# Altium PCB NURIP.PcbDoc (part 6 of 14) (continued)
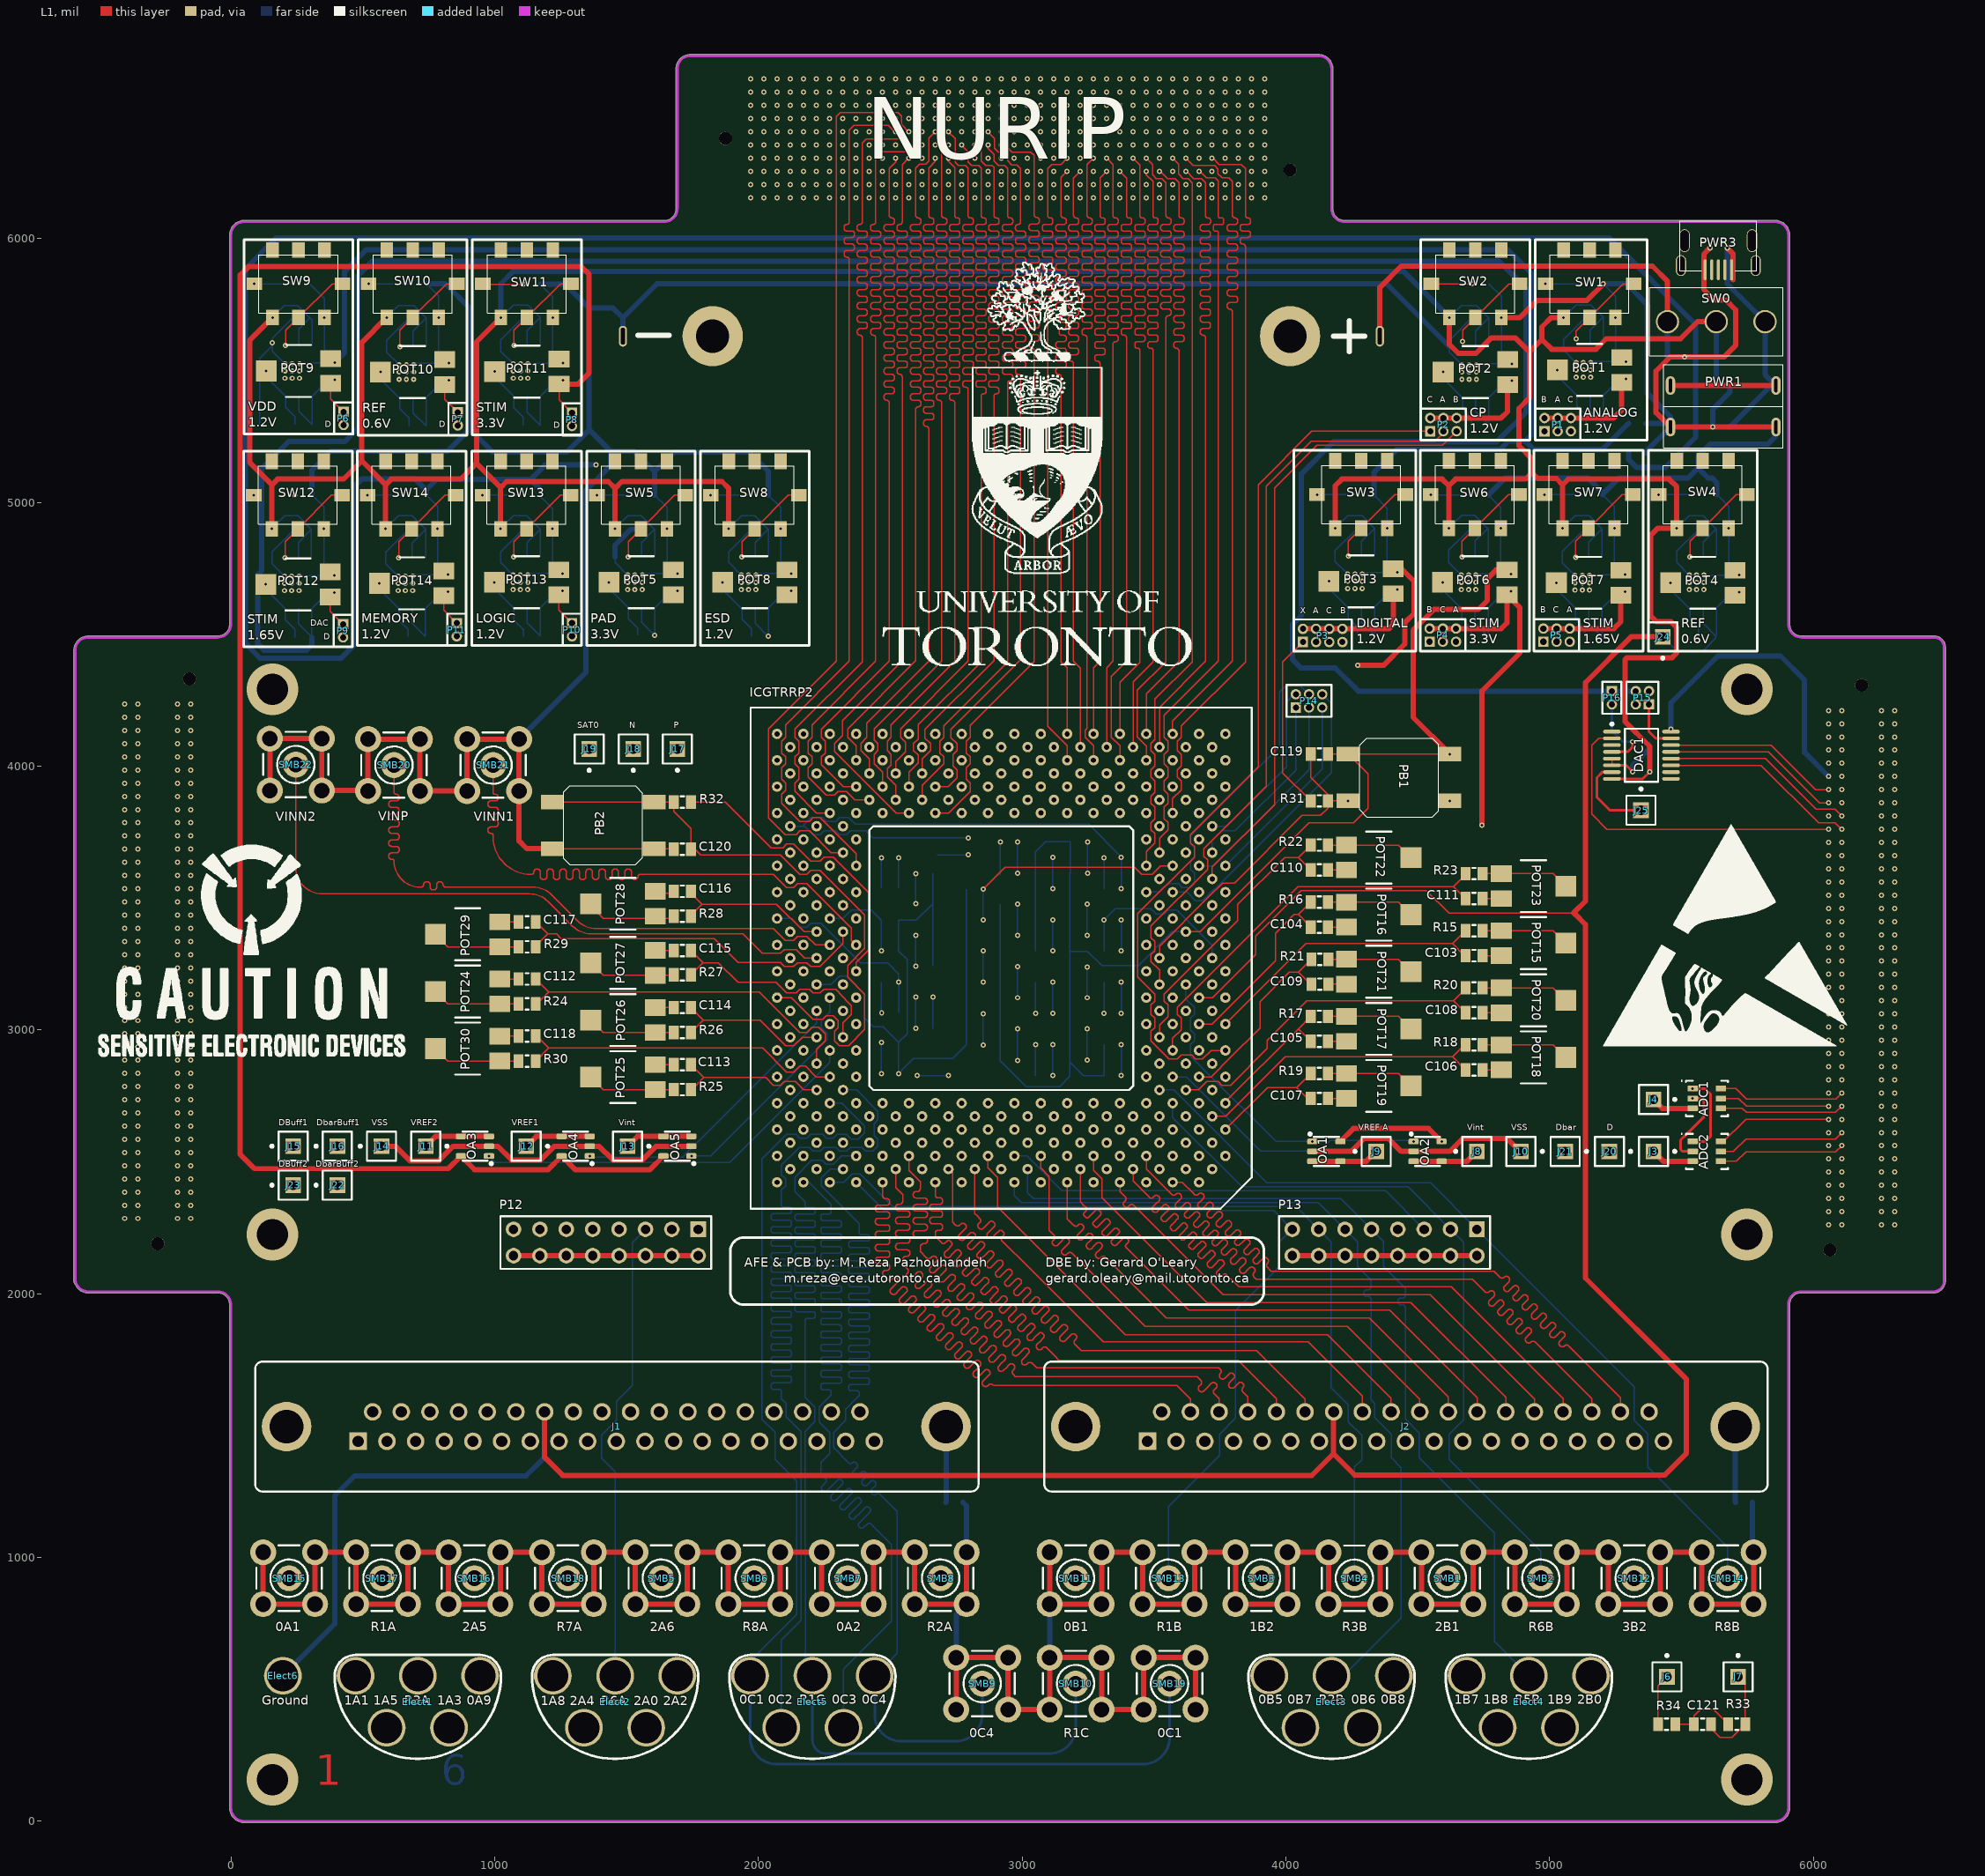
[diagram p0: L1 view]
## Nets (pads, with @x,y where several pads share a name; then routed paths per layer and width w, separated by ;. In a path a pad name is that pad's centre, name@x,y a point inside that pad or via, vN(x,y) a via of type N, cw(c..) or ccw(c..) an arc to the next point about the centre after c; other vN are vias at no path point) (continued)
CLK_CH_A: FMC2.H22 ICGTRRP2.R5 | length 2853.1
  L4 w5: ICGTRRP2.R5@3570.71,3122.2 3625.19,3122.2 3657.38,3154.39 3684.04,3154.39 3698.67,3139.76 3742.75,3139.76 3757.38,3154.39 3857.42,3154.39 3864.17,3147.64 5503.98,3147.64 cw(c5503.98,3140.53) 5511.08,3140.6 ; v1(6058.07,3160.87) 6044.84,3147.64 5888.47,3147.64 ccw(c5888.47,3140.53) 5881.36,3140.53 cw(c5872.72,3140.53) 5872.72,3131.89 5865.31,3131.89 cw(c5865.31,3140.53) 5856.67,3140.53 5856.67,3152.02 ccw(c5848.03,3152.02) 5848.03,3160.66 5840.63,3160.66 ccw(c5840.63,3152.02) 5831.99,3152.02 5831.99,3140.6 cw(c5823.35,3140.6) 5823.35,3131.96 5815.94,3131.96 cw(c5815.94,3140.6) 5807.3,3140.6 5807.3,3152.02 ccw(c5798.66,3152.02) 5798.66,3160.66 5791.26,3160.66 ccw(c5791.26,3152.02) 5782.62,3152.02 5782.62,3140.6 cw(c5773.98,3140.6) 5773.98,3131.96 5766.57,3131.96 cw(c5766.57,3140.6) 5757.93,3140.6 5757.93,3152.02 ccw(c5749.29,3152.02) 5749.29,3160.66 5741.89,3160.66 ccw(c5741.89,3152.02) 5733.25,3152.02 5733.25,3140.6 cw(c5724.61,3140.6) 5724.61,3131.96 5717.2,3131.96 cw(c5717.2,3140.6) 5708.56,3140.6 5708.56,3152.02 ccw(c5699.92,3152.02) 5699.92,3160.66 5692.52,3160.66 ccw(c5692.52,3152.02) 5683.88,3152.02 5683.88,3140.6 cw(c5675.24,3140.6) 5675.24,3131.96 5667.83,3131.96 cw(c5667.83,3140.6) 5659.19,3140.6 5659.19,3154.68 ccw(c5650.55,3154.68) 5650.55,3163.31 5643.15,3163.31 ccw(c5643.15,3154.68) 5634.51,3154.68 5634.51,3140.6 cw(c5625.87,3140.6) 5625.87,3131.96 5618.46,3131.96 cw(c5618.46,3140.6) 5609.82,3140.6 5609.82,3154.68 ccw(c5601.18,3154.68) 5601.18,3163.31 5593.78,3163.31 ccw(c5593.78,3154.68) 5585.14,3154.68 5585.14,3140.6 cw(c5576.5,3140.6) 5576.5,3131.96 5569.09,3131.96 cw(c5569.09,3140.6) 5560.45,3140.6 5560.45,3154.68 ccw(c5551.81,3154.68) 5551.81,3163.31 5544.41,3163.31 ccw(c5544.41,3154.68) 5535.77,3154.68 5535.77,3140.6 cw(c5527.13,3140.6) 5527.13,3131.96 5519.72,3131.96 cw(c5519.72,3140.6) 5511.08,3140.53 ; 5511.08,3140.53 ccw(c5503.98,3140.53) 5511.08,3140.6 ; 5511.08,3140.53 cw(c5519.72,3140.6) 5511.08,3140.6 ; 5511.08,3140.53 5511.08,3140.6
CLK_CH_B: FMC2.H17 ICGTRRP2.AA1 | length 2845.6
  L4 w5: ICGTRRP2.AA1@3770.71,3422.2 3857.32,3422.2 3868.66,3410.87 5257.13,3410.87 cw(c5257.13,3403.76) 5264.23,3403.76 ccw(c5272.87,3403.76) 5272.87,3395.12 5280.28,3395.12 ccw(c5280.28,3403.76) 5288.92,3403.76 5288.92,3417.97 cw(c5297.56,3417.97) 5297.56,3426.61 5304.96,3426.61 cw(c5304.96,3417.97) 5313.6,3417.97 5313.6,3403.76 ccw(c5322.24,3403.76) 5322.24,3395.12 5329.65,3395.12 ccw(c5329.65,3403.76) 5338.29,3403.76 5338.29,3417.97 cw(c5346.93,3417.97) 5346.93,3426.61 5354.33,3426.61 cw(c5354.33,3417.97) 5362.97,3417.97 5362.97,3403.76 ccw(c5371.61,3403.76) 5371.61,3395.12 5379.02,3395.12 ccw(c5379.02,3403.76) 5387.66,3403.76 5387.66,3417.97 cw(c5396.3,3417.97) 5396.3,3426.61 5403.7,3426.61 cw(c5403.7,3417.97) 5412.34,3417.97 5412.34,3403.76 ccw(c5420.98,3403.76) 5420.98,3395.12 5428.39,3395.12 ccw(c5428.39,3403.76) 5437.03,3403.76 5437.03,3415.63 cw(c5445.67,3415.63) 5445.67,3424.27 5453.07,3424.27 cw(c5453.07,3415.63) 5461.71,3415.63 5461.71,3403.76 ccw(c5470.35,3403.76) 5470.35,3395.12 5477.76,3395.12 ccw(c5477.76,3403.76) 5486.4,3403.76 5486.4,3415.63 cw(c5495.04,3415.63) 5495.04,3424.27 5502.44,3424.27 cw(c5502.44,3415.63) 5511.08,3415.63 5511.08,3403.76 ccw(c5519.72,3403.76) 5519.72,3395.12 5527.13,3395.12 ccw(c5527.13,3403.76) 5535.77,3403.76 5535.77,3415.63 cw(c5544.41,3415.63) 5544.41,3424.27 5551.81,3424.27 cw(c5551.81,3415.63) 5560.45,3415.63 5560.45,3403.76 ccw(c5569.09,3403.76) 5569.09,3395.12 5576.5,3395.12 ccw(c5576.5,3403.76) 5585.14,3403.76 5585.14,3415.63 cw(c5593.78,3415.63) 5593.78,3424.27 5601.18,3424.27 cw(c5601.18,3415.63) 5609.82,3415.63 5609.82,3403.76 ccw(c5618.46,3403.76) 5618.46,3395.12 5625.87,3395.12 ccw(c5625.87,3403.76) 5634.51,3403.76 5634.51,3415.63 cw(c5643.15,3415.63) 5643.15,3424.27 5650.55,3424.27 cw(c5650.55,3415.63) 5659.19,3415.63 5659.19,3403.76 ccw(c5667.83,3403.76) 5667.83,3395.12 5675.24,3395.12 ccw(c5675.24,3403.76) 5683.88,3403.76 5683.88,3415.63 cw(c5692.52,3415.63) 5692.52,3424.27 5699.92,3424.27 cw(c5699.92,3415.63) 5708.56,3415.63 5708.56,3403.76 ccw(c5717.2,3403.76) 5717.2,3395.12 5724.61,3395.12 ccw(c5724.61,3403.76) 5733.25,3403.76 5733.25,3415.63 cw(c5741.89,3415.63) 5741.89,3424.27 5749.29,3424.27 cw(c5749.29,3415.63) 5757.93,3415.63 5757.93,3403.76 ccw(c5766.57,3403.76) 5766.57,3395.12 5773.98,3395.12 ccw(c5773.98,3403.76) 5782.62,3403.76 5782.62,3415.63 cw(c5791.26,3415.63) 5791.26,3424.27 5798.66,3424.27 cw(c5798.66,3415.63) 5807.3,3415.63 5807.3,3403.76 ccw(c5815.94,3403.76) 5815.94,3395.12 5823.35,3395.12 ccw(c5823.35,3403.76) 5831.99,3403.76 5831.99,3415.59 cw(c5840.63,3415.59) 5840.63,3424.23 5848.03,3424.23 cw(c5848.03,3415.59) 5856.67,3415.59 5856.67,3403.76 ccw(c5865.31,3403.76) 5865.31,3395.12 5872.72,3395.12 ccw(c5872.72,3403.76) 5881.36,3403.76 cw(c5888.47,3403.76) 5888.47,3410.87 v1(6058.07,3410.87)
CLK_CH_C: FMC2.H25 ICGTRRP2.M2 | length 2853.2
  L4 w5: ICGTRRP2.M2@3720.71,2972.2 3842.28,2972.2 3868.11,2998.03 5307.73,2998.03 cw(c5307.73,2992.16) 5313.6,2992.3 ; v1(6058.07,3010.87) 6045.24,2998.03 5887.23,2998.03 ccw(c5887.23,2992.16) 5881.36,2992.16 cw(c5871.48,2992.16) 5871.48,2982.28 5866.55,2982.28 cw(c5866.55,2992.16) 5856.67,2992.16 5856.67,3001.41 ccw(c5846.8,3001.41) 5846.8,3011.29 5841.86,3011.29 ccw(c5841.86,3001.41) 5831.99,3001.41 5831.99,2992.31 cw(c5822.11,2992.31) 5822.11,2982.43 5817.18,2982.43 cw(c5817.18,2992.31) 5807.3,2992.31 5807.3,3001.5 ccw(c5797.43,3001.5) 5797.43,3011.37 5792.49,3011.37 ccw(c5792.49,3001.5) 5782.62,3001.5 5782.62,2992.31 cw(c5772.74,2992.31) 5772.74,2982.43 5767.81,2982.43 cw(c5767.81,2992.31) 5757.93,2992.31 5757.93,3001.5 ccw(c5748.06,3001.5) 5748.06,3011.37 5743.12,3011.37 ccw(c5743.12,3001.5) 5733.25,3001.5 5733.25,2992.31 cw(c5723.37,2992.31) 5723.37,2982.43 5718.44,2982.43 cw(c5718.44,2992.31) 5708.56,2992.31 5708.56,3001.5 ccw(c5698.69,3001.5) 5698.69,3011.37 5693.75,3011.37 ccw(c5693.75,3001.5) 5683.88,3001.5 5683.88,2992.31 cw(c5674,2992.31) 5674,2982.43 5669.07,2982.43 cw(c5669.07,2992.31) 5659.19,2992.31 5659.19,3003.76 ccw(c5649.32,3003.76) 5649.32,3013.63 5644.38,3013.63 ccw(c5644.38,3003.76) 5634.51,3003.76 5634.51,2992.31 cw(c5624.63,2992.31) 5624.63,2982.43 5619.7,2982.43 cw(c5619.7,2992.31) 5609.82,2992.31 5609.82,3003.76 ccw(c5599.95,3003.76) 5599.95,3013.63 5595.01,3013.63 ccw(c5595.01,3003.76) 5585.14,3003.76 5585.14,2992.31 cw(c5575.26,2992.31) 5575.26,2982.43 5570.33,2982.43 cw(c5570.33,2992.31) 5560.45,2992.31 5560.45,3003.76 ccw(c5550.58,3003.76) 5550.58,3013.63 5545.64,3013.63 ccw(c5545.64,3003.76) 5535.77,3003.76 5535.77,2992.31 cw(c5525.89,2992.31) 5525.89,2982.43 5520.96,2982.43 cw(c5520.96,2992.31) 5511.08,2992.31 5511.08,3003.76 ccw(c5501.21,3003.76) 5501.21,3013.63 5496.27,3013.63 ccw(c5496.27,3003.76) 5486.4,3003.76 5486.4,2992.31 cw(c5476.52,2992.31) 5476.52,2982.43 5471.59,2982.43 cw(c5471.59,2992.31) 5461.71,2992.31 5461.71,3003.76 ccw(c5451.84,3003.76) 5451.84,3013.63 5446.9,3013.63 ccw(c5446.9,3003.76) 5437.03,3003.76 5437.03,2992.31 cw(c5427.15,2992.31) 5427.15,2982.43 5422.22,2982.43 cw(c5422.22,2992.31) 5412.34,2992.31 5412.34,3003.76 ccw(c5402.47,3003.76) 5402.47,3013.63 5397.53,3013.63 ccw(c5397.53,3003.76) 5387.66,3003.76 5387.66,2992.31 cw(c5377.78,2992.31) 5377.78,2982.43 5372.85,2982.43 cw(c5372.85,2992.31) 5362.97,2992.31 5362.97,3003.76 ccw(c5353.1,3003.76) 5353.1,3013.63 5348.16,3013.63 ccw(c5348.16,3003.76) 5338.29,3003.76 5338.29,2992.31 cw(c5328.41,2992.31) 5328.41,2982.43 5323.48,2982.43 cw(c5323.48,2992.31) 5313.6,2992.16 ; 5313.6,2992.16 ccw(c5307.73,2992.16) 5313.6,2992.3 ; 5313.6,2992.16 cw(c5323.48,2992.31) 5313.6,2992.3 ; 5313.6,2992.16 5313.6,2992.3
CLK_CH_D: FMC3.G21 ICGTRRP2.N35 | length 2698.7
  L4 w5: v1(-202.56,3285.2) -175.06,3257.7 20.76,3257.7 ccw(c20.76,3261.09) 24.15,3261.09 cw(c34.03,3261.09) 34.03,3270.97 38.96,3270.97 cw(c38.96,3261.09) 48.84,3261.09 48.84,3251.82 ccw(c58.71,3251.82) 58.71,3241.95 63.65,3241.95 ccw(c63.65,3251.82) 73.52,3251.82 73.52,3261.09 cw(c83.4,3261.09) 83.4,3270.97 88.33,3270.97 cw(c88.33,3261.09) 98.21,3261.09 98.21,3251.82 ccw(c108.08,3251.82) 108.08,3241.95 113.02,3241.95 ccw(c113.02,3251.82) 122.89,3251.82 122.89,3261.09 cw(c132.77,3261.09) 132.77,3270.97 137.7,3270.97 cw(c137.7,3261.09) 147.58,3261.09 147.58,3251.82 ccw(c157.45,3251.82) 157.45,3241.95 162.39,3241.95 ccw(c162.39,3251.82) 172.26,3251.82 172.26,3261.09 cw(c182.14,3261.09) 182.14,3270.97 187.07,3270.97 cw(c187.07,3261.09) 196.95,3261.09 196.95,3251.82 ccw(c206.82,3251.82) 206.82,3241.95 211.76,3241.95 ccw(c211.76,3251.82) 221.63,3251.82 221.63,3261.09 cw(c231.51,3261.09) 231.51,3270.97 236.44,3270.97 cw(c236.44,3261.09) 246.32,3261.09 246.32,3251.82 ccw(c256.19,3251.82) 256.19,3241.95 261.13,3241.95 ccw(c261.13,3251.82) 271,3251.82 271,3263.57 cw(c280.88,3263.57) 280.88,3273.44 285.81,3273.44 cw(c285.81,3263.57) 295.69,3263.57 295.69,3251.82 ccw(c305.56,3251.82) 305.56,3241.95 310.5,3241.95 ccw(c310.5,3251.82) 320.37,3251.82 320.37,3263.57 cw(c330.25,3263.57) 330.25,3273.44 335.18,3273.44 cw(c335.18,3263.57) 345.06,3263.57 345.06,3251.82 ccw(c354.93,3251.82) 354.93,3241.95 359.87,3241.95 ccw(c359.87,3251.82) 369.74,3251.82 369.74,3263.57 cw(c379.62,3263.57) 379.62,3273.44 384.55,3273.44 cw(c384.55,3263.57) 394.43,3263.57 ccw(c400.3,3263.57) 400.3,3257.7 1799.39,3257.7 2034.88,3022.2 ICGTRRP2.N35@2070.71,3022.2
CLK_D: FMC3.G16 ICGTRRP2.L29 | length 2700.1
  L4 w5: v1(-202.56,3035.2) -175.06,3007.7 -112.03,3007.7 -98.43,2994.09 1854.33,2994.09 1992.13,2856.3 2091.1,2856.3 2107.38,2840.02 2137.26,2840.02 2201.63,2904.39 2234.04,2904.39 2248.41,2890.02 2284.04,2890.02 2316.23,2922.2 ICGTRRP2.L29@2370.71,2922.2
CLK_D_A: FMC2.G22 ICGTRRP2.R7 | length 2846.5
  L4 w5: ICGTRRP2.R7@3470.71,3122.2 3525.19,3122.2 3607.38,3204.39 3643.01,3204.39 3657.38,3190.02 3684.04,3190.02 3698.41,3204.39 3743.01,3204.39 3760.39,3187.01 5701.16,3187.01 cw(c5701.16,3179.6) 5708.56,3179.6 5708.56,3178.67 ccw(c5715.97,3178.67) 5715.97,3171.26 5725.84,3171.26 ccw(c5725.84,3178.67) 5733.25,3178.67 5733.25,3191.27 cw(c5740.65,3191.27) 5740.65,3198.68 5750.53,3198.68 cw(c5750.53,3191.27) 5757.93,3191.27 5757.93,3178.67 ccw(c5765.34,3178.67) 5765.34,3171.26 5775.21,3171.26 ccw(c5775.21,3178.67) 5782.62,3178.67 5782.62,3191.27 cw(c5790.02,3191.27) 5790.02,3198.68 5799.9,3198.68 cw(c5799.9,3191.27) 5807.3,3191.27 5807.3,3178.67 ccw(c5814.71,3178.67) 5814.71,3171.26 5824.58,3171.26 ccw(c5824.58,3178.67) 5831.99,3178.67 5831.99,3191.27 cw(c5839.39,3191.27) 5839.39,3198.68 5849.27,3198.68 cw(c5849.27,3191.27) 5856.67,3191.27 5856.67,3178.67 ccw(c5864.08,3178.67) 5864.08,3171.26 5873.95,3171.26 ccw(c5873.95,3178.67) 5881.36,3178.67 5881.36,3179.6 cw(c5888.76,3179.6) 5888.76,3187.01 6081.93,3187.01 v1(6108.07,3160.87)
CLK_D_B: FMC2.H14 ICGTRRP2.AC1 | length 2843
  L4 w5: ICGTRRP2.AC1@3770.71,3522.2 3813.54,3522.2 3852.2,3560.87 5233.67,3560.87 ccw(c5233.67,3566.74) 5239.55,3566.74 cw(c5249.42,3566.74) 5249.42,3576.61 5254.36,3576.61 cw(c5254.36,3566.74) 5264.23,3566.74 5264.23,3554.99 ccw(c5274.11,3554.99) 5274.11,3545.12 5279.04,3545.12 ccw(c5279.04,3554.99) 5288.92,3554.99 5288.92,3566.74 cw(c5298.79,3566.74) 5298.79,3576.61 5303.73,3576.61 cw(c5303.73,3566.74) 5313.6,3566.74 5313.6,3554.99 ccw(c5323.48,3554.99) 5323.48,3545.12 5328.41,3545.12 ccw(c5328.41,3554.99) 5338.29,3554.99 5338.29,3566.74 cw(c5348.16,3566.74) 5348.16,3576.61 5353.1,3576.61 cw(c5353.1,3566.74) 5362.97,3566.74 5362.97,3554.99 ccw(c5372.85,3554.99) 5372.85,3545.12 5377.78,3545.12 ccw(c5377.78,3554.99) 5387.66,3554.99 5387.66,3564.06 cw(c5397.53,3564.06) 5397.53,3573.93 5402.47,3573.93 cw(c5402.47,3564.06) 5412.34,3564.06 5412.34,3554.99 ccw(c5422.22,3554.99) 5422.22,3545.12 5427.15,3545.12 ccw(c5427.15,3554.99) 5437.03,3554.99 5437.03,3564.06 cw(c5446.9,3564.06) 5446.9,3573.93 5451.84,3573.93 cw(c5451.84,3564.06) 5461.71,3564.06 5461.71,3554.99 ccw(c5471.59,3554.99) 5471.59,3545.12 5476.52,3545.12 ccw(c5476.52,3554.99) 5486.4,3554.99 5486.4,3564.06 cw(c5496.27,3564.06) 5496.27,3573.93 5501.21,3573.93 cw(c5501.21,3564.06) 5511.08,3564.06 5511.08,3554.99 ccw(c5520.96,3554.99) 5520.96,3545.12 5525.89,3545.12 ccw(c5525.89,3554.99) 5535.77,3554.99 5535.77,3564.06 cw(c5545.64,3564.06) 5545.64,3573.93 5550.58,3573.93 cw(c5550.58,3564.06) 5560.45,3564.06 5560.45,3554.99 ccw(c5570.33,3554.99) 5570.33,3545.12 5575.26,3545.12 ccw(c5575.26,3554.99) 5585.14,3554.99 5585.14,3564.06 cw(c5595.01,3564.06) 5595.01,3573.93 5599.95,3573.93 cw(c5599.95,3564.06) 5609.82,3564.06 5609.82,3554.99 ccw(c5619.7,3554.99) 5619.7,3545.12 5624.63,3545.12 ccw(c5624.63,3554.99) 5634.51,3554.99 5634.51,3564.06 cw(c5644.38,3564.06) 5644.38,3573.93 5649.32,3573.93 cw(c5649.32,3564.06) 5659.19,3564.06 5659.19,3554.99 ccw(c5669.07,3554.99) 5669.07,3545.12 5674,3545.12 ccw(c5674,3554.99) 5683.88,3554.99 5683.88,3564.06 cw(c5693.75,3564.06) 5693.75,3573.93 5698.69,3573.93 cw(c5698.69,3564.06) 5708.56,3564.06 5708.56,3554.99 ccw(c5718.44,3554.99) 5718.44,3545.12 5723.37,3545.12 ccw(c5723.37,3554.99) 5733.25,3554.99 5733.25,3564.06 cw(c5743.12,3564.06) 5743.12,3573.93 5748.06,3573.93 cw(c5748.06,3564.06) 5757.93,3564.06 5757.93,3554.99 ccw(c5767.81,3554.99) 5767.81,3545.12 5772.74,3545.12 ccw(c5772.74,3554.99) 5782.62,3554.99 5782.62,3564.06 cw(c5792.49,3564.06) 5792.49,3573.93 5797.43,3573.93 cw(c5797.43,3564.06) 5807.3,3564.06 5807.3,3554.99 ccw(c5817.18,3554.99) 5817.18,3545.12 5822.11,3545.12 ccw(c5822.11,3554.99) 5831.99,3554.99 5831.99,3563.96 cw(c5841.86,3563.96) 5841.86,3573.84 5846.8,3573.84 cw(c5846.8,3563.96) 5856.67,3563.96 5856.67,3554.99 ccw(c5866.55,3554.99) 5866.55,3545.12 5871.48,3545.12 ccw(c5871.48,3554.99) 5881.36,3554.99 cw(c5887.23,3554.99) 5887.23,3560.87 v1(6058.07,3560.87)
CLK_D_C: FMC2.G28 ICGTRRP2.K2 | length 2848.6
  L4 w5: ICGTRRP2.K2@3720.71,2872.2 3858.43,2872.2 3870.08,2883.86 5307.73,2883.86 cw(c5307.73,2877.98) 5313.6,2877.98 ccw(c5323.48,2877.98) 5323.48,2868.11 5328.41,2868.11 ccw(c5328.41,2877.98) 5338.29,2877.98 5338.29,2889.73 cw(c5348.16,2889.73) 5348.16,2899.61 5353.1,2899.61 cw(c5353.1,2889.73) 5362.97,2889.73 5362.97,2877.98 ccw(c5372.85,2877.98) 5372.85,2868.11 5377.78,2868.11 ccw(c5377.78,2877.98) 5387.66,2877.98 5387.66,2889.73 cw(c5397.53,2889.73) 5397.53,2899.61 5402.47,2899.61 cw(c5402.47,2889.73) 5412.34,2889.73 5412.34,2877.98 ccw(c5422.22,2877.98) 5422.22,2868.11 5427.15,2868.11 ccw(c5427.15,2877.98) 5437.03,2877.98 5437.03,2885.42 cw(c5446.9,2885.42) 5446.9,2895.3 5451.84,2895.3 cw(c5451.84,2885.42) 5461.71,2885.42 5461.71,2877.98 ccw(c5471.59,2877.98) 5471.59,2868.11 5476.52,2868.11 ccw(c5476.52,2877.98) 5486.4,2877.98 5486.4,2885.42 cw(c5496.27,2885.42) 5496.27,2895.3 5501.21,2895.3 cw(c5501.21,2885.42) 5511.08,2885.42 5511.08,2877.98 ccw(c5520.96,2877.98) 5520.96,2868.11 5525.89,2868.11 ccw(c5525.89,2877.98) 5535.77,2877.98 5535.77,2885.42 cw(c5545.64,2885.42) 5545.64,2895.3 5550.58,2895.3 cw(c5550.58,2885.42) 5560.45,2885.42 5560.45,2877.98 ccw(c5570.33,2877.98) 5570.33,2868.11 5575.26,2868.11 ccw(c5575.26,2877.98) 5585.14,2877.98 5585.14,2885.42 cw(c5595.01,2885.42) 5595.01,2895.3 5599.95,2895.3 cw(c5599.95,2885.42) 5609.82,2885.42 5609.82,2877.98 ccw(c5619.7,2877.98) 5619.7,2868.11 5624.63,2868.11 ccw(c5624.63,2877.98) 5634.51,2877.98 5634.51,2885.42 cw(c5644.38,2885.42) 5644.38,2895.3 5649.32,2895.3 cw(c5649.32,2885.42) 5659.19,2885.42 5659.19,2877.98 ccw(c5669.07,2877.98) 5669.07,2868.11 5674,2868.11 ccw(c5674,2877.98) 5683.88,2877.98 5683.88,2885.42 cw(c5693.75,2885.42) 5693.75,2895.3 5698.69,2895.3 cw(c5698.69,2885.42) 5708.56,2885.42 5708.56,2877.98 ccw(c5718.44,2877.98) 5718.44,2868.11 5723.37,2868.11 ccw(c5723.37,2877.98) 5733.25,2877.98 5733.25,2885.42 cw(c5743.12,2885.42) 5743.12,2895.3 5748.06,2895.3 cw(c5748.06,2885.42) 5757.93,2885.42 5757.93,2877.98 ccw(c5767.81,2877.98) 5767.81,2868.11 5772.74,2868.11 ccw(c5772.74,2877.98) 5782.62,2877.98 5782.62,2885.42 cw(c5792.49,2885.42) 5792.49,2895.3 5797.43,2895.3 cw(c5797.43,2885.42) 5807.3,2885.42 5807.3,2877.98 ccw(c5817.18,2877.98) 5817.18,2868.11 5822.11,2868.11 ccw(c5822.11,2877.98) 5831.99,2877.98 5831.99,2885.42 cw(c5841.86,2885.42) 5841.86,2895.3 5846.8,2895.3 cw(c5846.8,2885.42) 5856.67,2885.42 5856.67,2877.98 ccw(c5866.55,2877.98) 5866.55,2868.11 5871.48,2868.11 ccw(c5871.48,2877.98) 5881.36,2877.98 cw(c5887.23,2877.98) 5887.23,2883.86 6085.08,2883.86 v1(6108.07,2860.87)
CLK_D_D: FMC3.G18 ICGTRRP2.L35 | length 2696
  L4 w5: v1(-202.56,3135.2) -177.6,3110.24 20.63,3110.24 ccw(c20.63,3113.76) 24.15,3113.76 cw(c35.26,3113.76) 35.26,3124.87 37.73,3124.87 cw(c37.73,3113.76) 48.84,3113.76 48.84,3105.6 ccw(c59.95,3105.6) 59.95,3094.49 62.42,3094.49 ccw(c62.42,3105.6) 73.52,3105.6 73.52,3113.76 cw(c84.63,3113.76) 84.63,3124.87 87.1,3124.87 cw(c87.1,3113.76) 98.21,3113.76 98.21,3105.6 ccw(c109.32,3105.6) 109.32,3094.49 111.79,3094.49 ccw(c111.79,3105.6) 122.89,3105.6 122.89,3113.76 cw(c134,3113.76) 134,3124.87 136.47,3124.87 cw(c136.47,3113.76) 147.58,3113.76 147.58,3105.6 ccw(c158.69,3105.6) 158.69,3094.49 161.16,3094.49 ccw(c161.16,3105.6) 172.26,3105.6 172.26,3113.76 cw(c183.37,3113.76) 183.37,3124.87 185.84,3124.87 cw(c185.84,3113.76) 196.95,3113.76 196.95,3105.6 ccw(c208.06,3105.6) 208.06,3094.49 210.53,3094.49 ccw(c210.53,3105.6) 221.63,3105.6 221.63,3113.76 cw(c232.74,3113.76) 232.74,3124.87 235.21,3124.87 cw(c235.21,3113.76) 246.32,3113.76 246.32,3105.6 ccw(c257.43,3105.6) 257.43,3094.49 259.9,3094.49 ccw(c259.9,3105.6) 271,3105.6 271,3113.76 cw(c282.11,3113.76) 282.11,3124.87 284.58,3124.87 cw(c284.58,3113.76) 295.69,3113.76 295.69,3105.6 ccw(c306.8,3105.6) 306.8,3094.49 309.27,3094.49 ccw(c309.27,3105.6) 320.37,3105.6 320.37,3114.88 cw(c331.48,3114.88) 331.48,3125.98 333.95,3125.98 cw(c333.95,3114.88) 345.06,3114.88 345.06,3105.6 ccw(c356.17,3105.6) 356.17,3094.49 358.64,3094.49 ccw(c358.64,3105.6) 369.74,3105.6 369.74,3114.88 cw(c380.85,3114.88) 380.85,3125.98 383.32,3125.98 cw(c383.32,3114.88) 394.43,3114.88 394.43,3105.6 ccw(c405.54,3105.6) 405.54,3094.49 408.01,3094.49 ccw(c408.01,3105.6) 419.11,3105.6 cw(c423.75,3105.6) 423.75,3110.24 1836.61,3110.24 2024.65,2922.2 ICGTRRP2.L35@2070.71,2922.2
CLK_DAC_D: FMC3.H17 ICGTRRP2.L33 | length 2697.6
  L4 w5: v1(-152.56,3085.2) -140.2,3072.83 21.25,3072.83 ccw(c21.25,3075.74) 24.15,3075.74 cw(c35.26,3075.74) 35.26,3086.85 37.73,3086.85 cw(c37.73,3075.74) 48.84,3075.74 48.84,3068.19 ccw(c59.95,3068.19) 59.95,3057.09 62.42,3057.09 ccw(c62.42,3068.19) 73.52,3068.19 73.52,3075.74 cw(c84.63,3075.74) 84.63,3086.85 87.1,3086.85 cw(c87.1,3075.74) 98.21,3075.74 98.21,3068.19 ccw(c109.32,3068.19) 109.32,3057.09 111.79,3057.09 ccw(c111.79,3068.19) 122.89,3068.19 122.89,3075.74 cw(c134,3075.74) 134,3086.85 136.47,3086.85 cw(c136.47,3075.74) 147.58,3075.74 147.58,3068.19 ccw(c158.69,3068.19) 158.69,3057.09 161.16,3057.09 ccw(c161.16,3068.19) 172.26,3068.19 172.26,3075.74 cw(c183.37,3075.74) 183.37,3086.85 185.84,3086.85 cw(c185.84,3075.74) 196.95,3075.74 196.95,3068.19 ccw(c208.06,3068.19) 208.06,3057.09 210.53,3057.09 ccw(c210.53,3068.19) 221.63,3068.19 221.63,3075.74 cw(c232.74,3075.74) 232.74,3086.85 235.21,3086.85 cw(c235.21,3075.74) 246.32,3075.74 246.32,3068.19 ccw(c257.43,3068.19) 257.43,3057.09 259.9,3057.09 ccw(c259.9,3068.19) 271,3068.19 271,3075.74 cw(c282.11,3075.74) 282.11,3086.85 284.58,3086.85 cw(c284.58,3075.74) 295.69,3075.74 295.69,3068.19 ccw(c306.8,3068.19) 306.8,3057.09 309.27,3057.09 ccw(c309.27,3068.19) 320.37,3068.19 320.37,3075.74 cw(c331.48,3075.74) 331.48,3086.85 333.95,3086.85 cw(c333.95,3075.74) 345.06,3075.74 345.06,3068.19 ccw(c356.17,3068.19) 356.17,3057.09 358.64,3057.09 ccw(c358.64,3068.19) 369.74,3068.19 cw(c374.38,3068.19) 374.38,3072.83 1844.49,3072.83 2027.56,2889.76 2092.52,2889.76 2124.96,2922.2 ICGTRRP2.L33@2170.71,2922.2
CLK_DEC: FMC2.G13 ICGTRRP2.W7 | length 2844.8
  L4 w5: ICGTRRP2.W7@3470.71,3322.2 3470.71,3367.72 3707.38,3604.39 3734.04,3604.39 3748.41,3590.02 3784.04,3590.02 3831.82,3637.8 5831.99,3637.8 cw(c5843.8,3637.8) 5843.8,3649.61 5844.86,3649.61 cw(c5844.86,3637.8) 5856.67,3637.8 ccw(c5868.48,3637.8) 5868.48,3625.98 5869.55,3625.98 ccw(c5869.55,3637.8) 5881.36,3637.8 6081.14,3637.8 v1(6108.07,3610.87)
CLK_DEC_D: FMC3.H22 ICGTRRP2.P34 | length 2699.4
  L4 w5: v1(-152.56,3335.2) 18.28,3335.2 ccw(c18.28,3341.07) 24.15,3341.07 cw(c34.03,3341.07) 34.03,3350.94 38.96,3350.94 cw(c38.96,3341.07) 48.84,3341.07 48.84,3329.32 ccw(c58.71,3329.32) 58.71,3319.45 63.65,3319.45 ccw(c63.65,3329.32) 73.52,3329.32 73.52,3341.07 cw(c83.4,3341.07) 83.4,3350.94 88.33,3350.94 cw(c88.33,3341.07) 98.21,3341.07 98.21,3329.32 ccw(c108.08,3329.32) 108.08,3319.45 113.02,3319.45 ccw(c113.02,3329.32) 122.89,3329.32 122.89,3341.07 cw(c132.77,3341.07) 132.77,3350.94 137.7,3350.94 cw(c137.7,3341.07) 147.58,3341.07 147.58,3329.32 ccw(c157.45,3329.32) 157.45,3319.45 162.39,3319.45 ccw(c162.39,3329.32) 172.26,3329.32 172.26,3341.07 cw(c182.14,3341.07) 182.14,3350.94 187.07,3350.94 cw(c187.07,3341.07) 196.95,3341.07 196.95,3329.32 ccw(c206.82,3329.32) 206.82,3319.45 211.76,3319.45 ccw(c211.76,3329.32) 221.63,3329.32 221.63,3341.07 cw(c231.51,3341.07) 231.51,3350.94 236.44,3350.94 cw(c236.44,3341.07) 246.32,3341.07 246.32,3329.32 ccw(c256.19,3329.32) 256.19,3319.45 261.13,3319.45 ccw(c261.13,3329.32) 271,3329.32 271,3341.07 cw(c280.88,3341.07) 280.88,3350.94 285.81,3350.94 cw(c285.81,3341.07) 295.69,3341.07 295.69,3329.32 ccw(c305.56,3329.32) 305.56,3319.45 310.5,3319.45 ccw(c310.5,3329.32) 320.37,3329.32 320.37,3341.07 cw(c330.25,3341.07) 330.25,3350.94 335.18,3350.94 cw(c335.18,3341.07) 345.06,3341.07 345.06,3329.32 ccw(c354.93,3329.32) 354.93,3319.45 359.87,3319.45 ccw(c359.87,3329.32) 369.74,3329.32 cw(c375.62,3329.32) 375.62,3335.2 1777.01,3335.2 2040,3072.2 ICGTRRP2.P34@2120.71,3072.2
CLK_LATCH_A: FMC2.G24 ICGTRRP2.P4 | length 2849
  L4 w5: ICGTRRP2.P4@3620.71,3072.2 3675.19,3072.2 3707.38,3040.02 3743.01,3040.02 3757.38,3054.39 3851.63,3054.39 3870.08,3072.83 5505.21,3072.83 cw(c5505.21,3066.96) 5511.08,3066.96 ccw(c5520.96,3066.96) 5520.96,3057.09 5525.89,3057.09 ccw(c5525.89,3066.96) 5535.77,3066.96 5535.77,3077.05 cw(c5545.64,3077.05) 5545.64,3086.92 5550.58,3086.92 cw(c5550.58,3077.05) 5560.45,3077.05 5560.45,3066.96 ccw(c5570.33,3066.96) 5570.33,3057.09 5575.26,3057.09 ccw(c5575.26,3066.96) 5585.14,3066.96 5585.14,3077.05 cw(c5595.01,3077.05) 5595.01,3086.92 5599.95,3086.92 cw(c5599.95,3077.05) 5609.82,3077.05 5609.82,3066.96 ccw(c5619.7,3066.96) 5619.7,3057.09 5624.63,3057.09 ccw(c5624.63,3066.96) 5634.51,3066.96 5634.51,3077.05 cw(c5644.38,3077.05) 5644.38,3086.92 5649.32,3086.92 cw(c5649.32,3077.05) 5659.19,3077.05 5659.19,3066.96 ccw(c5669.07,3066.96) 5669.07,3057.09 5674,3057.09 ccw(c5674,3066.96) 5683.88,3066.96 5683.88,3077.05 cw(c5693.75,3077.05) 5693.75,3086.92 5698.69,3086.92 cw(c5698.69,3077.05) 5708.56,3077.05 5708.56,3066.96 ccw(c5718.44,3066.96) 5718.44,3057.09 5723.37,3057.09 ccw(c5723.37,3066.96) 5733.25,3066.96 5733.25,3077.05 cw(c5743.12,3077.05) 5743.12,3086.92 5748.06,3086.92 cw(c5748.06,3077.05) 5757.93,3077.05 5757.93,3066.96 ccw(c5767.81,3066.96) 5767.81,3057.09 5772.74,3057.09 ccw(c5772.74,3066.96) 5782.62,3066.96 5782.62,3077.05 cw(c5792.49,3077.05) 5792.49,3086.92 5797.43,3086.92 cw(c5797.43,3077.05) 5807.3,3077.05 5807.3,3066.96 ccw(c5817.18,3066.96) 5817.18,3057.09 5822.11,3057.09 ccw(c5822.11,3066.96) 5831.99,3066.96 5831.99,3077 cw(c5841.86,3077) 5841.86,3086.87 5846.8,3086.87 cw(c5846.8,3077) 5856.67,3077 5856.67,3066.96 ccw(c5866.55,3066.96) 5866.55,3057.09 5871.48,3057.09 ccw(c5871.48,3066.96) 5881.36,3066.96 cw(c5887.23,3066.96) 5887.23,3072.83 6013.78,3072.83 6029.31,3088.37 6080.57,3088.37 v1(6108.07,3060.87)
CLK_LATCH_B: FMC2.G19 ICGTRRP2.Y2 | length 2845.4
  L4 w5: ICGTRRP2.Y2@3720.71,3372.2 3824.65,3372.2 3860.24,3336.61 5357.83,3336.61 cw(c5357.83,3329.51) 5364.94,3329.51 ccw(c5373.58,3329.51) 5373.58,3320.87 5380.99,3320.87 ccw(c5380.99,3329.51) 5389.63,3329.51 5389.63,3343.72 cw(c5398.27,3343.72) 5398.27,3352.36 5405.67,3352.36 cw(c5405.67,3343.72) 5414.31,3343.72 5414.31,3329.51 ccw(c5422.95,3329.51) 5422.95,3320.87 5430.36,3320.87 ccw(c5430.36,3329.51) 5439,3329.51 5439,3343.72 cw(c5447.64,3343.72) 5447.64,3352.36 5455.04,3352.36 cw(c5455.04,3343.72) 5463.68,3343.72 5463.68,3329.51 ccw(c5472.32,3329.51) 5472.32,3320.87 5479.73,3320.87 ccw(c5479.73,3329.51) 5488.37,3329.51 5488.37,3343.72 cw(c5497.01,3343.72) 5497.01,3352.36 5504.41,3352.36 cw(c5504.41,3343.72) 5513.05,3343.72 5513.05,3329.51 ccw(c5521.69,3329.51) 5521.69,3320.87 5529.1,3320.87 ccw(c5529.1,3329.51) 5537.74,3329.51 5537.74,3343.72 cw(c5546.38,3343.72) 5546.38,3352.36 5553.78,3352.36 cw(c5553.78,3343.72) 5562.42,3343.72 5562.42,3329.51 ccw(c5571.06,3329.51) 5571.06,3320.87 5578.47,3320.87 ccw(c5578.47,3329.51) 5587.11,3329.51 5587.11,3338.15 cw(c5595.75,3338.15) 5595.75,3346.79 5603.15,3346.79 cw(c5603.15,3338.15) 5611.79,3338.15 5611.79,3329.51 ccw(c5620.43,3329.51) 5620.43,3320.87 5627.84,3320.87 ccw(c5627.84,3329.51) 5636.48,3329.51 5636.48,3338.15 cw(c5645.12,3338.15) 5645.12,3346.79 5652.52,3346.79 cw(c5652.52,3338.15) 5661.16,3338.15 5661.16,3329.51 ccw(c5669.8,3329.51) 5669.8,3320.87 5677.21,3320.87 ccw(c5677.21,3329.51) 5685.85,3329.51 5685.85,3338.15 cw(c5694.49,3338.15) 5694.49,3346.79 5701.89,3346.79 cw(c5701.89,3338.15) 5710.53,3338.15 5710.53,3329.51 ccw(c5719.17,3329.51) 5719.17,3320.87 5726.58,3320.87 ccw(c5726.58,3329.51) 5735.22,3329.51 5735.22,3338.15 cw(c5743.86,3338.15) 5743.86,3346.79 5751.26,3346.79 cw(c5751.26,3338.15) 5759.9,3338.15 5759.9,3329.51 ccw(c5768.54,3329.51) 5768.54,3320.87 5775.95,3320.87 ccw(c5775.95,3329.51) 5784.59,3329.51 5784.59,3338.15 cw(c5793.23,3338.15) 5793.23,3346.79 5800.63,3346.79 cw(c5800.63,3338.15) 5809.27,3338.15 5809.27,3329.51 ccw(c5817.91,3329.51) 5817.91,3320.87 5825.32,3320.87 ccw(c5825.32,3329.51) 5833.96,3329.51 5833.96,3338.1 cw(c5842.6,3338.1) 5842.6,3346.74 5850,3346.74 cw(c5850,3338.1) 5858.64,3338.1 5858.64,3329.51 ccw(c5867.28,3329.51) 5867.28,3320.87 5874.69,3320.87 ccw(c5874.69,3329.51) 5883.33,3329.51 cw(c5890.43,3329.51) 5890.43,3336.61 6082.32,3336.61 v1(6108.07,3310.87)